# Altium PCB MercurialSDR.PcbDoc (part 5 of 6)
Units mil, origin at the board's own origin, x right, y up, seen from the top; angles counter-clockwise.
Board outline 3937.01 x 2362.2 mil, 2 copper layers (Top Layer, Bottom Layer); 147 components, 115 nets, 574 pads, 237 vias.
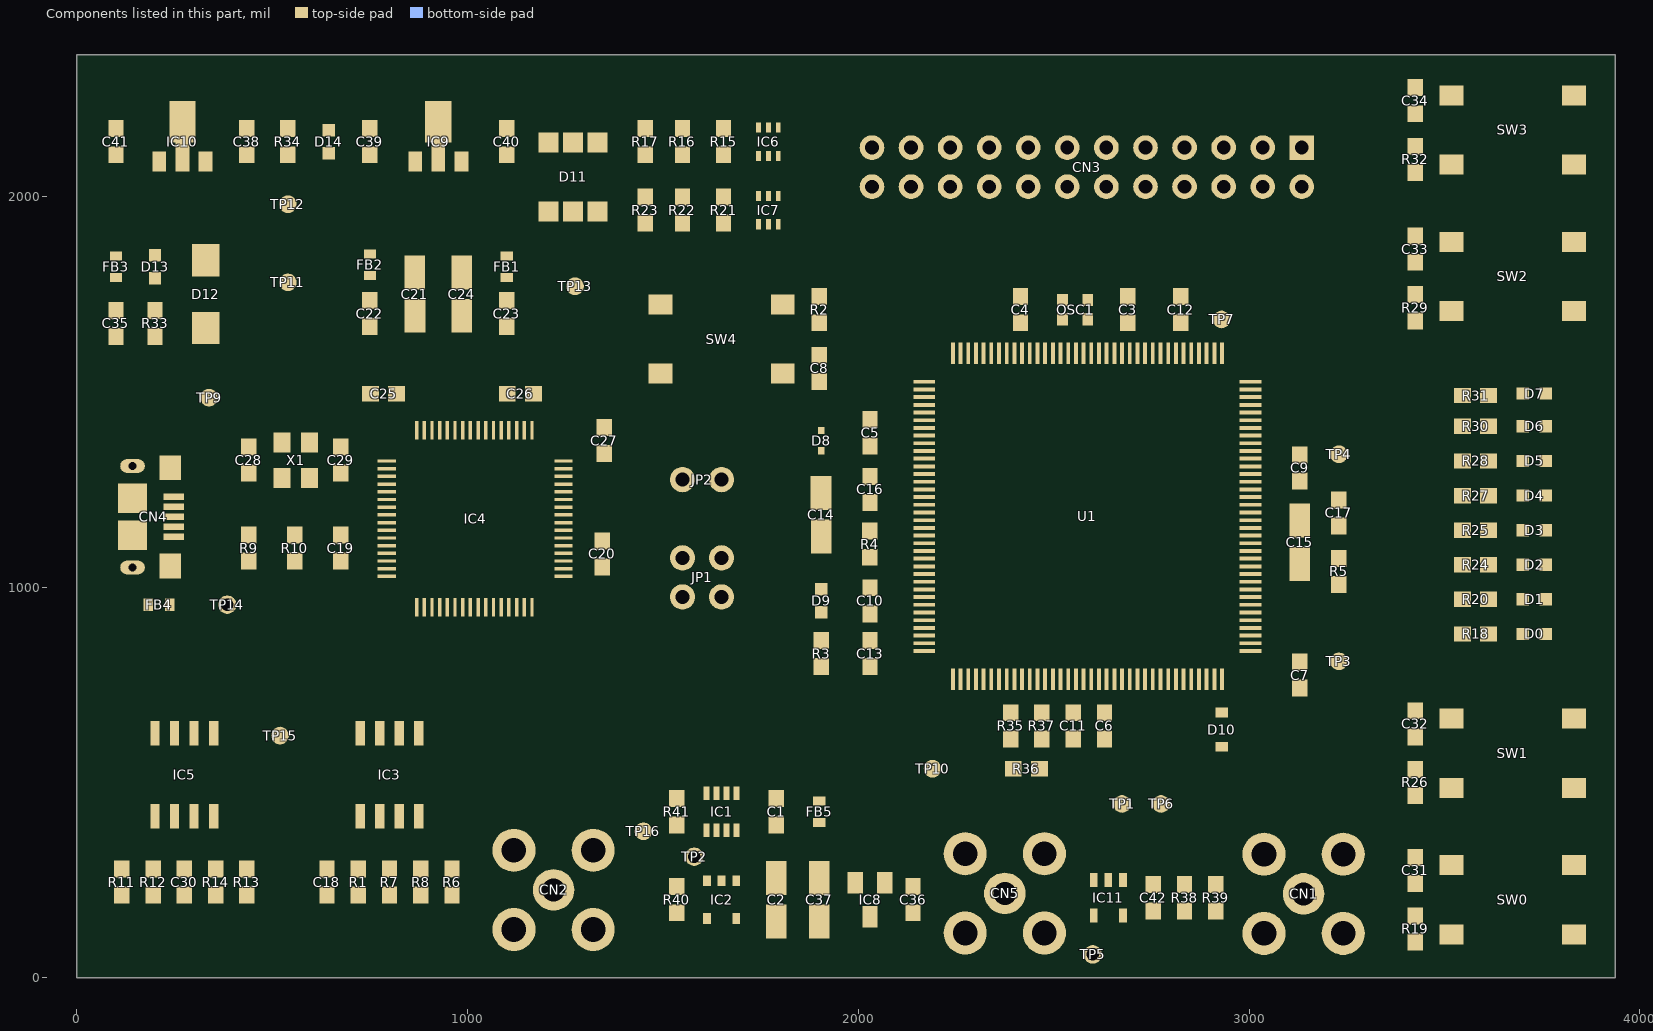
[diagram p5: the components of this part, seen from the top]

## Via types
v1: diameter 27.56, hole 15.75, Top Layer to Bottom Layer, tented both sides, 237 vias

## Nets (pads, with @x,y where several pads share a name; then routed paths per layer and width w, separated by ;. In a path a pad name is that pad's centre, name@x,y a point inside that pad or via, vN(x,y) a via of type N, cw(c..) or ccw(c..) an arc to the next point about the centre after c; other vN are vias at no path point) (continued)
copper on no net: (continued)
  Bottom Layer w1.2: 810.8,2125.8 831.2,2125.8 ; 810.8,2127 832.4,2127 ; 810.8,2139 827.6,2139 ; 810.8,2140.2 828.8,2140.2 ; 813.2,2158.2 816.8,2158.2 ; 813.2,2159.4 816.8,2159.4 ; 813.2,2160.6 816.8,2160.6 ; 813.2,2161.8 816.8,2161.8 ; 813.2,2163 816.8,2163 ; 813.2,2164.2 816.8,2164.2 ; 814.4,2154.6 818,2154.6 ; 814.4,2155.8 818,2155.8 ; 814.4,2157 818,2157 ; 814.4,2165.4 818,2165.4 ; 814.4,2166.6 818,2166.6 ; 814.4,2167.8 819.2,2167.8 ; 815.6,2152.2 820.4,2152.2 ; 815.6,2153.4 819.2,2153.4 ; 815.6,2169 820.4,2169 ; 815.6,2170.2 821.6,2170.2 ; 816.8,2151 821.6,2151 ; 816.8,2171.4 822.8,2171.4 ; 818,2149.8 824,2149.8 ; 818,2172.6 826.4,2172.6 ; 819.2,2148.6 827.6,2148.6 ; 820.4,2173.8 831.2,2173.8 ; 821.6,2147.4 831.2,2147.4 ; 821.6,2175 866,2175 ; 824,2141.4 830,2141.4 ; 825.2,2142.6 830,2142.6 ; 825.2,2146.2 831.2,2146.2 ; 825.2,2176.2 866,2176.2 ; 826.4,2143.8 831.2,2143.8 ; 827.6,2128.2 833.6,2128.2 ; 827.6,2145 831.2,2145 ; 827.6,2158.2 831.2,2158.2 ; 827.6,2159.4 831.2,2159.4 ; 828.8,2129.4 834.8,2129.4 ; 828.8,2155.8 848,2155.8 ; 828.8,2157 833.6,2157 ; 828.8,2160.6 832.4,2160.6 ; 828.8,2161.8 833.6,2161.8 ; 828.8,2163 848,2163 ; 830,2130.6 836,2130.6 ; 830,2154.6 848,2154.6 ; 830,2164.2 848,2164.2 ; 831.2,2131.8 837.2,2131.8 ; 832.4,2133 838.4,2133 ; 833.6,2134.2 839.6,2134.2 ; 834.8,2135.4 840.8,2135.4 ; 836,2136.6 842,2136.6 ; 837.2,2137.8 843.2,2137.8 ; 838.4,2139 844.4,2139 ; 839.6,2140.2 849.2,2140.2 ; 840.8,2141.4 849.2,2141.4 ; 842,2142.6 849.2,2142.6 ; 843.2,2143.8 849.2,2143.8 ; 844.4,2145 849.2,2145 ; 844.4,2157 848,2157 ; 844.4,2158.2 848,2158.2 ; 844.4,2159.4 848,2159.4 ; 844.4,2160.6 848,2160.6 ; 844.4,2161.8 848,2161.8 ; 845.6,2125.8 866,2125.8 ; 845.6,2127 866,2127 ; 845.6,2128.2 849.2,2128.2 ; 845.6,2129.4 849.2,2129.4 ; 845.6,2130.6 849.2,2130.6 ; 845.6,2131.8 849.2,2131.8 ; 845.6,2133 849.2,2133 ; 845.6,2134.2 849.2,2134.2 ; 845.6,2135.4 849.2,2135.4 ; 845.6,2136.6 849.2,2136.6 ; 845.6,2137.8 849.2,2137.8 ; 845.6,2139 849.2,2139 ; 862.4,2139 866,2139 ; 862.4,2140.2 866,2140.2 ; 862.4,2141.4 866,2141.4 ; 862.4,2142.6 866,2142.6 ; 862.4,2143.8 866,2143.8 ; 862.4,2145 866,2145 ; 862.4,2146.2 866,2146.2 ; 862.4,2147.4 866,2147.4 ; 862.4,2148.6 866,2148.6 ; 862.4,2149.8 866,2149.8 ; 862.4,2151 866,2151 ; 862.4,2152.2 866,2152.2 ; 862.4,2153.4 866,2153.4 ; 862.4,2154.6 866,2154.6 ; 862.4,2155.8 866,2155.8 ; 862.4,2157 866,2157 ; 862.4,2158.2 866,2158.2 ; 862.4,2159.4 866,2159.4 ; 862.4,2160.6 866,2160.6 ; 862.4,2161.8 866,2161.8 ; 862.4,2163 866,2163 ; 862.4,2164.2 866,2164.2 ; 867.2,2146.2 870.8,2146.2 ; 867.2,2147.4 870.8,2147.4 ; 867.2,2148.6 870.8,2148.6 ; 867.2,2149.8 870.8,2149.8 ; 867.2,2151 870.8,2151 ; 867.2,2152.2 870.8,2152.2 ; 867.2,2153.4 870.8,2153.4 ; 867.2,2154.6 870.8,2154.6 ; 867.2,2155.8 870.8,2155.8 ; 867.2,2157 870.8,2157 ; 868.4,2141.4 872,2141.4 ; 868.4,2142.6 872,2142.6 ; 868.4,2143.8 872,2143.8 ; 868.4,2145 870.8,2145 ; 868.4,2158.2 870.8,2158.2 ; 868.4,2159.4 872,2159.4 ; 868.4,2160.6 872,2160.6 ; 868.4,2161.8 872,2161.8 ; 869.6,2137.8 874.4,2137.8 ; 869.6,2139 873.2,2139 ; 869.6,2140.2 873.2,2140.2 ; 869.6,2163 873.2,2163 ; 869.6,2164.2 873.2,2164.2 ; 870.8,2135.4 875.6,2135.4 ; 870.8,2136.6 874.4,2136.6 ; 870.8,2165.4 874.4,2165.4 ; 870.8,2166.6 875.6,2166.6 ; 872,2134.2 876.8,2134.2 ; 872,2167.8 876.8,2167.8 ; 873.2,2131.8 879.2,2131.8 ; 873.2,2133 878,2133 ; 873.2,2169 878,2169 ; 873.2,2170.2 879.2,2170.2 ; 874.4,2130.6 881.6,2130.6 ; 874.4,2171.4 881.6,2171.4 ; 876.8,2129.4 885.2,2129.4 ; 876.8,2172.6 885.2,2172.6 ; 878,2128.2 894.8,2128.2 ; 878,2173.8 893.6,2173.8 ; 880.4,2127 926,2127 ; 880.4,2175 926,2175 ; 884,2125.8 926,2125.8 ; 884,2176.2 926,2176.2 ; 885.2,2151 888.8,2151 ; 885.2,2152.2 888.8,2152.2 ; 886.4,2143.8 891.2,2143.8 ; 886.4,2145 890,2145 ; 886.4,2146.2 890,2146.2 ; 886.4,2147.4 890,2147.4 ; 886.4,2148.6 888.8,2148.6 ; 886.4,2149.8 888.8,2149.8 ; 886.4,2153.4 888.8,2153.4 ; 886.4,2154.6 890,2154.6 ; 886.4,2155.8 890,2155.8 ; 886.4,2157 890,2157 ; 886.4,2158.2 891.2,2158.2 ; 887.6,2141.4 893.6,2141.4 ; 887.6,2142.6 891.2,2142.6 ; 887.6,2159.4 892.4,2159.4 ; 887.6,2160.6 893.6,2160.6 ; 888.8,2140.2 897.2,2140.2 ; 888.8,2161.8 898.4,2161.8 ; 890,2139 909.2,2139 ; 890,2163 909.2,2163 ; 892.4,2137.8 909.2,2137.8 ; 892.4,2164.2 909.2,2164.2 ; 905.6,2140.2 909.2,2140.2 ; 905.6,2141.4 909.2,2141.4 ; 905.6,2142.6 909.2,2142.6 ; 905.6,2143.8 909.2,2143.8 ; 905.6,2145 909.2,2145 ; 905.6,2146.2 909.2,2146.2 ; 905.6,2147.4 909.2,2147.4 ; 905.6,2148.6 909.2,2148.6 ; 905.6,2149.8 909.2,2149.8 ; 905.6,2151 909.2,2151 ; 905.6,2152.2 909.2,2152.2 ; 905.6,2153.4 909.2,2153.4 ; 905.6,2154.6 909.2,2154.6 ; 905.6,2155.8 909.2,2155.8 ; 905.6,2157 909.2,2157 ; 905.6,2158.2 909.2,2158.2 ; 905.6,2159.4 909.2,2159.4 ; 905.6,2160.6 909.2,2160.6 ; 905.6,2161.8 909.2,2161.8 ; 922.4,2139 926,2139 ; 922.4,2140.2 926,2140.2 ; 922.4,2141.4 926,2141.4 ; 922.4,2142.6 926,2142.6 ; 922.4,2143.8 926,2143.8 ; 922.4,2145 926,2145 ; 922.4,2146.2 926,2146.2 ; 922.4,2147.4 926,2147.4 ; 922.4,2148.6 926,2148.6 ; 922.4,2149.8 926,2149.8 ; 922.4,2151 926,2151 ; 922.4,2152.2 926,2152.2 ; 922.4,2153.4 926,2153.4 ; 922.4,2154.6 926,2154.6 ; 922.4,2155.8 926,2155.8 ; 922.4,2157 926,2157 ; 922.4,2158.2 926,2158.2 ; 922.4,2159.4 926,2159.4 ; 922.4,2160.6 926,2160.6 ; 922.4,2161.8 926,2161.8 ; 922.4,2163 926,2163 ; 922.4,2164.2 926,2164.2 ; 927.2,2161.8 946.4,2161.8 ; 927.2,2163 945.2,2163 ; 927.2,2175 962,2175 ; 927.2,2176.2 959.6,2176.2 ; 928.4,2133 933.2,2133 ; 928.4,2134.2 932,2134.2 ; 928.4,2135.4 932,2135.4 ; 928.4,2136.6 932,2136.6 ; 928.4,2137.8 932,2137.8 ; 928.4,2139 932,2139 ; 928.4,2140.2 932,2140.2 ; 928.4,2141.4 932,2141.4 ; 929.6,2130.6 935.6,2130.6 ; 929.6,2131.8 933.2,2131.8 ; 929.6,2142.6 933.2,2142.6 ; 929.6,2143.8 933.2,2143.8 ; 930.8,2129.4 936.8,2129.4 ; 930.8,2145 934.4,2145 ; 930.8,2146.2 935.6,2146.2 ; 932,2128.2 940.4,2128.2 ; 932,2147.4 935.6,2147.4 ; 932,2148.6 936.8,2148.6 ; 933.2,2127 1034,2127 ; 933.2,2149.8 938,2149.8 ; 934.4,2151 939.2,2151 ; 935.6,2125.8 1034,2125.8 ; 935.6,2152.2 940.4,2152.2 ; 936.8,2153.4 941.6,2153.4 ; 938,2154.6 942.8,2154.6 ; 939.2,2155.8 944,2155.8 ; 939.2,2160.6 946.4,2160.6 ; 940.4,2157 945.2,2157 ; 941.6,2158.2 945.2,2158.2 ; 942.8,2159.4 946.4,2159.4 ; 948.8,2140.2 998,2140.2 ; 948.8,2141.4 956,2141.4 ; 948.8,2142.6 952.4,2142.6 ; 948.8,2143.8 952.4,2143.8 ; 948.8,2145 953.6,2145 ; 950,2139 998,2139 ; 950,2146.2 954.8,2146.2 ; 951.2,2147.4 956,2147.4 ; 952.4,2148.6 957.2,2148.6 ; 953.6,2149.8 958.4,2149.8 ; 953.6,2173.8 963.2,2173.8 ; 954.8,2151 959.6,2151 ; 956,2152.2 960.8,2152.2 ; 957.2,2153.4 962,2153.4 ; 958.4,2154.6 963.2,2154.6 ; 958.4,2172.6 963.2,2172.6 ; 959.6,2155.8 963.2,2155.8 ; 959.6,2157 964.4,2157 ; 959.6,2171.4 964.4,2171.4 ; 960.8,2158.2 964.4,2158.2 ; 960.8,2159.4 965.6,2159.4 ; 960.8,2169 965.6,2169 ; 960.8,2170.2 964.4,2170.2 ; 962,2160.6 965.6,2160.6 ; 962,2161.8 965.6,2161.8 ; 962,2163 965.6,2163 ; 962,2164.2 965.6,2164.2 ; 962,2165.4 965.6,2165.4 ; 962,2166.6 965.6,2166.6 ; 962,2167.8 965.6,2167.8 ; 966.8,2128.2 970.4,2128.2 ; 966.8,2129.4 970.4,2129.4 ; 966.8,2130.6 970.4,2130.6 ; 966.8,2131.8 970.4,2131.8 ; 966.8,2133 970.4,2133 ; 966.8,2134.2 970.4,2134.2 ; 966.8,2135.4 970.4,2135.4 ; 966.8,2136.6 970.4,2136.6 ; 966.8,2137.8 970.4,2137.8 ; 995.6,2141.4 998,2141.4 ; 995.6,2142.6 998,2142.6 ; 995.6,2143.8 998,2143.8 ; 995.6,2145 998,2145 ; 995.6,2146.2 998,2146.2 ; 995.6,2147.4 998,2147.4 ; 995.6,2148.6 998,2148.6 ; 995.6,2149.8 998,2149.8 ; 995.6,2151 998,2151 ; 995.6,2152.2 998,2152.2 ; 995.6,2153.4 998,2153.4 ; 995.6,2154.6 998,2154.6 ; 995.6,2155.8 998,2155.8 ; 995.6,2157 998,2157 ; 995.6,2158.2 998,2158.2 ; 995.6,2159.4 998,2159.4 ; 995.6,2160.6 998,2160.6 ; 995.6,2161.8 998,2161.8 ; 995.6,2163 998,2163 ; 995.6,2164.2 998,2164.2 ; 995.6,2165.4 998,2165.4 ; 995.6,2166.6 998,2166.6 ; 995.6,2167.8 998,2167.8 ; 995.6,2169 998,2169 ; 995.6,2170.2 998,2170.2 ; 995.6,2171.4 998,2171.4 ; 995.6,2172.6 998,2172.6 ; 995.6,2173.8 998,2173.8 ; 995.6,2175 1013.6,2175 ; 995.6,2176.2 1013.6,2176.2 ; 1010,2128.2 1017.2,2128.2 ; 1010,2129.4 1017.2,2129.4 ; 1010,2130.6 1013.6,2130.6 ; 1010,2131.8 1013.6,2131.8 ; 1010,2133 1013.6,2133 ; 1010,2134.2 1013.6,2134.2 ; 1010,2135.4 1013.6,2135.4 ; 1010,2136.6 1013.6,2136.6 ; 1010,2137.8 1013.6,2137.8 ; 1010,2139 1013.6,2139 ; 1010,2140.2 1013.6,2140.2 ; 1010,2141.4 1013.6,2141.4 ; 1010,2142.6 1013.6,2142.6 ; 1010,2143.8 1013.6,2143.8 ; 1010,2145 1013.6,2145 ; 1010,2146.2 1013.6,2146.2 ; 1010,2147.4 1013.6,2147.4 ; 1010,2148.6 1013.6,2148.6 ; 1010,2149.8 1013.6,2149.8 ; 1010,2151 1013.6,2151 ; 1010,2152.2 1013.6,2152.2 ; 1010,2153.4 1013.6,2153.4 ; 1010,2154.6 1013.6,2154.6 ; 1010,2155.8 1013.6,2155.8 ; 1010,2157 1013.6,2157 ; 1010,2158.2 1013.6,2158.2 ; 1010,2159.4 1013.6,2159.4 ; 1010,2160.6 1013.6,2160.6 ; 1010,2161.8 1013.6,2161.8 ; 1010,2163 1013.6,2163 ; 1010,2164.2 1013.6,2164.2 ; 1010,2165.4 1013.6,2165.4 ; 1010,2166.6 1013.6,2166.6 ; 1010,2167.8 1013.6,2167.8 ; 1010,2169 1013.6,2169 ; 1010,2170.2 1013.6,2170.2 ; 1010,2171.4 1013.6,2171.4 ; 1010,2172.6 1013.6,2172.6 ; 1010,2173.8 1013.6,2173.8 ; 1014.8,2130.6 1018.4,2130.6 ; 1014.8,2131.8 1018.4,2131.8 ; 1014.8,2133 1018.4,2133 ; 1016,2134.2 1019.6,2134.2 ; 1016,2135.4 1019.6,2135.4 ; 1016,2136.6 1019.6,2136.6 ; 1017.2,2137.8 1020.8,2137.8 ; 1017.2,2139 1020.8,2139 ; 1017.2,2140.2 1020.8,2140.2 ; 1018.4,2141.4 1022,2141.4 ; 1018.4,2142.6 1022,2142.6 ; 1018.4,2143.8 1022,2143.8 ; 1019.6,2145 1023.2,2145 ; 1019.6,2146.2 1023.2,2146.2 ; 1019.6,2147.4 1023.2,2147.4 ; 1020.8,2148.6 1024.4,2148.6 ; 1020.8,2149.8 1024.4,2149.8 ; 1020.8,2151 1024.4,2151 ; 1022,2152.2 1025.6,2152.2 ; 1022,2153.4 1025.6,2153.4 ; 1023.2,2154.6 1025.6,2154.6 ; 1023.2,2155.8 1026.8,2155.8 ; 1023.2,2157 1026.8,2157 ; 1024.4,2158.2 1026.8,2158.2 ; 1024.4,2159.4 1028,2159.4 ; 1024.4,2160.6 1028,2160.6 ; 1025.6,2161.8 1029.2,2161.8 ; 1025.6,2163 1029.2,2163 ; 1025.6,2164.2 1029.2,2164.2 ; 1026.8,2165.4 1030.4,2165.4 ; 1026.8,2166.6 1030.4,2166.6 ; 1026.8,2167.8 1030.4,2167.8 ; 1028,2169 1031.6,2169 ; 1028,2170.2 1031.6,2170.2 ; 1028,2171.4 1031.6,2171.4 ; 1029.2,2172.6 1032.8,2172.6 ; 1029.2,2173.8 1032.8,2173.8 ; 1029.2,2175 1058,2175 ; 1030.4,2128.2 1035.2,2128.2 ; 1030.4,2176.2 1058,2176.2 ; 1031.6,2129.4 1035.2,2129.4 ; 1031.6,2130.6 1035.2,2130.6 ; 1031.6,2131.8 1036.4,2131.8 ; 1032.8,2133 1036.4,2133 ; 1032.8,2134.2 1036.4,2134.2 ; 1032.8,2135.4 1054.4,2135.4 ; 1034,2136.6 1054.4,2136.6 ; 1035.2,2145 1052,2145 ; 1036.4,2146.2 1052,2146.2 ; 1036.4,2147.4 1040,2147.4 ; 1036.4,2148.6 1041.2,2148.6 ; 1037.6,2149.8 1041.2,2149.8 ; 1037.6,2151 1041.2,2151 ; 1038.8,2152.2 1042.4,2152.2 ; 1038.8,2153.4 1042.4,2153.4 ; 1038.8,2154.6 1042.4,2154.6 ; 1040,2155.8 1048.4,2155.8 ; 1040,2157 1047.2,2157 ; 1040,2158.2 1047.2,2158.2 ; 1041.2,2159.4 1047.2,2159.4 ; 1041.2,2160.6 1046,2160.6 ; 1041.2,2161.8 1046,2161.8 ; 1042.4,2163 1044.8,2163 ; 1042.4,2164.2 1044.8,2164.2 ; 1042.4,2165.4 1044.8,2165.4 ; 1044.8,2152.2 1049.6,2152.2 ; 1044.8,2153.4 1048.4,2153.4 ; 1044.8,2154.6 1048.4,2154.6 ; 1046,2149.8 1050.8,2149.8 ; 1046,2151 1049.6,2151 ; 1047.2,2147.4 1050.8,2147.4 ; 1047.2,2148.6 1050.8,2148.6 ; 1050.8,2134.2 1054.4,2134.2 ; 1052,2130.6 1055.6,2130.6 ; 1052,2131.8 1055.6,2131.8 ; 1052,2133 1055.6,2133 ; 1053.2,2127 1113.2,2127 ; 1053.2,2128.2 1056.8,2128.2 ; 1053.2,2129.4 1056.8,2129.4 ; 1054.4,2125.8 1112,2125.8 ; 1054.4,2172.6 1059.2,2172.6 ; 1054.4,2173.8 1058,2173.8 ; 1055.6,2169 1060.4,2169 ; 1055.6,2170.2 1059.2,2170.2 ; 1055.6,2171.4 1059.2,2171.4 ; 1056.8,2165.4 1061.6,2165.4 ; 1056.8,2166.6 1060.4,2166.6 ; 1056.8,2167.8 1060.4,2167.8 ; 1058,2161.8 1061.6,2161.8 ; 1058,2163 1061.6,2163 ; 1058,2164.2 1061.6,2164.2 ; 1059.2,2158.2 1062.8,2158.2 ; 1059.2,2159.4 1062.8,2159.4 ; 1059.2,2160.6 1062.8,2160.6 ; 1060.4,2154.6 1064,2154.6 ; 1060.4,2155.8 1064,2155.8 ; 1060.4,2157 1064,2157 ; 1061.6,2151 1065.2,2151 ; 1061.6,2152.2 1065.2,2152.2 ; 1061.6,2153.4 1065.2,2153.4 ; 1062.8,2147.4 1066.4,2147.4 ; 1062.8,2148.6 1066.4,2148.6 ; 1062.8,2149.8 1066.4,2149.8 ; 1064,2143.8 1067.6,2143.8 ; 1064,2145 1067.6,2145 ; 1064,2146.2 1067.6,2146.2 ; 1065.2,2140.2 1068.8,2140.2 ; 1065.2,2141.4 1068.8,2141.4 ; 1065.2,2142.6 1068.8,2142.6 ; 1066.4,2136.6 1070,2136.6 ; 1066.4,2137.8 1070,2137.8 ; 1066.4,2139 1070,2139 ; 1067.6,2133 1071.2,2133 ; 1067.6,2134.2 1071.2,2134.2 ; 1067.6,2135.4 1071.2,2135.4 ; 1068.8,2129.4 1072.4,2129.4 ; 1068.8,2130.6 1072.4,2130.6 ; 1068.8,2131.8 1072.4,2131.8 ; 1070,2128.2 1076,2128.2 ; 1073.6,2129.4 1076,2129.4 ; 1073.6,2130.6 1076,2130.6 ; 1073.6,2131.8 1076,2131.8 ; 1073.6,2133 1076,2133 ; 1073.6,2134.2 1076,2134.2 ; 1073.6,2135.4 1076,2135.4 ; 1073.6,2136.6 1076,2136.6 ; 1073.6,2137.8 1076,2137.8 ; 1073.6,2139 1076,2139 ; 1073.6,2140.2 1076,2140.2 ; 1073.6,2141.4 1076,2141.4 ; 1073.6,2142.6 1076,2142.6 ; 1073.6,2143.8 1076,2143.8 ; 1073.6,2145 1076,2145 ; 1073.6,2146.2 1076,2146.2 ; 1073.6,2147.4 1076,2147.4 ; 1073.6,2148.6 1076,2148.6 ; 1073.6,2149.8 1076,2149.8 ; 1073.6,2151 1076,2151 ; 1073.6,2152.2 1076,2152.2 ; 1073.6,2153.4 1076,2153.4 ; 1073.6,2154.6 1076,2154.6 ; 1073.6,2155.8 1076,2155.8 ; 1073.6,2157 1076,2157 ; 1073.6,2158.2 1076,2158.2 ; 1073.6,2159.4 1076,2159.4 ; 1073.6,2160.6 1076,2160.6 ; 1073.6,2161.8 1076,2161.8 ; 1073.6,2163 1076,2163 ; 1073.6,2164.2 1076,2164.2 ; 1073.6,2165.4 1076,2165.4 ; 1073.6,2166.6 1076,2166.6 ; 1073.6,2167.8 1076,2167.8 ; 1073.6,2169 1076,2169 ; 1073.6,2170.2 1076,2170.2 ; 1073.6,2171.4 1076,2171.4 ; 1073.6,2172.6 1076,2172.6 ; 1073.6,2173.8 1076,2173.8 ; 1073.6,2175 1091.6,2175 ; 1073.6,2176.2 1091.6,2176.2 ; 1088,2128.2 1095.2,2128.2 ; 1088,2129.4 1095.2,2129.4 ; 1088,2130.6 1095.2,2130.6 ; 1088,2131.8 1095.2,2131.8 ; 1088,2133 1095.2,2133 ; 1088,2134.2 1095.2,2134.2 ; 1088,2135.4 1095.2,2135.4 ; 1088,2136.6 1095.2,2136.6 ; 1088,2137.8 1095.2,2137.8 ; 1088,2139 1108.4,2139 ; 1088,2140.2 1109.6,2140.2 ; 1088,2141.4 1091.6,2141.4 ; 1088,2142.6 1091.6,2142.6 ; 1088,2143.8 1091.6,2143.8 ; 1088,2145 1091.6,2145 ; 1088,2146.2 1091.6,2146.2 ; 1088,2147.4 1091.6,2147.4 ; 1088,2148.6 1091.6,2148.6 ; 1088,2149.8 1091.6,2149.8 ; 1088,2151 1091.6,2151 ; 1088,2152.2 1091.6,2152.2 ; 1088,2153.4 1091.6,2153.4 ; 1088,2154.6 1091.6,2154.6 ; 1088,2155.8 1091.6,2155.8 ; 1088,2157 1091.6,2157 ; 1088,2158.2 1091.6,2158.2 ; 1088,2159.4 1091.6,2159.4 ; 1088,2160.6 1091.6,2160.6 ; 1088,2161.8 1091.6,2161.8 ; 1088,2163 1091.6,2163 ; 1088,2164.2 1091.6,2164.2 ; 1088,2165.4 1091.6,2165.4 ; 1088,2166.6 1091.6,2166.6 ; 1088,2167.8 1091.6,2167.8 ; 1088,2169 1091.6,2169 ; 1088,2170.2 1091.6,2170.2 ; 1088,2171.4 1091.6,2171.4 ; 1088,2172.6 1091.6,2172.6 ; 1088,2173.8 1091.6,2173.8 ; 1094,2158.2 1097.6,2158.2 ; 1094,2159.4 1097.6,2159.4 ; 1094,2160.6 1097.6,2160.6 ; 1094,2161.8 1097.6,2161.8 ; 1094,2163 1097.6,2163 ; 1094,2164.2 1097.6,2164.2 ; 1095.2,2154.6 1098.8,2154.6 ; 1095.2,2155.8 1098.8,2155.8 ; 1095.2,2157 1098.8,2157 ; 1095.2,2165.4 1098.8,2165.4 ; 1095.2,2166.6 1098.8,2166.6 ; 1095.2,2167.8 1100,2167.8 ; 1096.4,2152.2 1101.2,2152.2 ; 1096.4,2153.4 1100,2153.4 ; 1096.4,2169 1101.2,2169 ; 1096.4,2170.2 1102.4,2170.2 ; 1097.6,2151 1102.4,2151 ; 1097.6,2171.4 1103.6,2171.4 ; 1098.8,2149.8 1104.8,2149.8 ; 1098.8,2172.6 1107.2,2172.6 ; 1100,2148.6 1108.4,2148.6 ; 1101.2,2173.8 1112,2173.8 ; 1102.4,2147.4 1112,2147.4 ; 1102.4,2175 1146.8,2175 ; 1104.8,2141.4 1110.8,2141.4 ; 1106,2142.6 1110.8,2142.6 ; 1106,2146.2 1112,2146.2 ; 1106,2176.2 1146.8,2176.2 ; 1107.2,2143.8 1112,2143.8 ; 1108.4,2128.2 1114.4,2128.2 ; 1108.4,2145 1112,2145 ; 1108.4,2158.2 1112,2158.2 ; 1108.4,2159.4 1112,2159.4 ; 1109.6,2129.4 1115.6,2129.4 ; 1109.6,2155.8 1128.8,2155.8 ; 1109.6,2157 1114.4,2157 ; 1109.6,2160.6 1113.2,2160.6 ; 1109.6,2161.8 1114.4,2161.8 ; 1109.6,2163 1128.8,2163 ; 1110.8,2130.6 1116.8,2130.6 ; 1110.8,2154.6 1128.8,2154.6 ; 1110.8,2164.2 1128.8,2164.2 ; 1112,2131.8 1118,2131.8 ; 1113.2,2133 1119.2,2133 ; 1114.4,2134.2 1120.4,2134.2 ; 1115.6,2135.4 1121.6,2135.4 ; 1116.8,2136.6 1122.8,2136.6 ; 1118,2137.8 1124,2137.8 ; 1119.2,2139 1125.2,2139 ; 1120.4,2140.2 1130,2140.2 ; 1121.6,2141.4 1130,2141.4 ; 1122.8,2142.6 1130,2142.6 ; 1124,2143.8 1130,2143.8 ; 1125.2,2145 1130,2145 ; 1125.2,2157 1128.8,2157 ; 1125.2,2158.2 1128.8,2158.2 ; 1125.2,2159.4 1128.8,2159.4 ; 1125.2,2160.6 1128.8,2160.6 ; 1125.2,2161.8 1128.8,2161.8 ; 1126.4,2125.8 1146.8,2125.8 ; 1126.4,2127 1146.8,2127 ; 1126.4,2128.2 1130,2128.2 ; 1126.4,2129.4 1130,2129.4 ; 1126.4,2130.6 1130,2130.6 ; 1126.4,2131.8 1130,2131.8 ; 1126.4,2133 1130,2133 ; 1126.4,2134.2 1130,2134.2 ; 1126.4,2135.4 1130,2135.4 ; 1126.4,2136.6 1130,2136.6 ; 1126.4,2137.8 1130,2137.8 ; 1126.4,2139 1130,2139 ; 1143.2,2128.2 1146.8,2128.2 ; 1143.2,2129.4 1146.8,2129.4 ; 1143.2,2130.6 1146.8,2130.6 ; 1143.2,2131.8 1146.8,2131.8 ; 1143.2,2133 1146.8,2133 ; 1143.2,2134.2 1146.8,2134.2 ; 1143.2,2135.4 1146.8,2135.4 ; 1143.2,2136.6 1146.8,2136.6 ; 1143.2,2137.8 1146.8,2137.8 ; 1143.2,2139 1146.8,2139 ; 1143.2,2140.2 1146.8,2140.2 ; 1143.2,2141.4 1146.8,2141.4 ; 1143.2,2142.6 1146.8,2142.6 ; 1143.2,2143.8 1146.8,2143.8 ; 1143.2,2145 1146.8,2145 ; 1143.2,2146.2 1146.8,2146.2 ; 1143.2,2147.4 1146.8,2147.4 ; 1143.2,2148.6 1146.8,2148.6 ; 1143.2,2149.8 1146.8,2149.8 ; 1143.2,2151 1146.8,2151 ; 1143.2,2152.2 1146.8,2152.2 ; 1143.2,2153.4 1146.8,2153.4 ; 1143.2,2154.6 1146.8,2154.6 ; 1143.2,2155.8 1146.8,2155.8 ; 1143.2,2157 1146.8,2157 ; 1143.2,2158.2 1146.8,2158.2 ; 1143.2,2159.4 1146.8,2159.4 ; 1143.2,2160.6 1146.8,2160.6 ; 1143.2,2161.8 1146.8,2161.8 ; 1143.2,2163 1146.8,2163 ; 1143.2,2164.2 1146.8,2164.2 ; 1143.2,2165.4 1146.8,2165.4 ; 1143.2,2166.6 1146.8,2166.6 ; 1143.2,2167.8 1146.8,2167.8 ; 1143.2,2169 1146.8,2169 ; 1143.2,2170.2 1146.8,2170.2 ; 1143.2,2171.4 1146.8,2171.4 ; 1143.2,2172.6 1146.8,2172.6 ; 1143.2,2173.8 1146.8,2173.8 ; 1148,2140.2 1151.6,2140.2 ; 1148,2141.4 1151.6,2141.4 ; 1148,2142.6 1151.6,2142.6 ; 1148,2143.8 1151.6,2143.8 ; 1148,2145 1151.6,2145 ; 1148,2146.2 1151.6,2146.2 ; 1148,2147.4 1151.6,2147.4 ; 1148,2148.6 1151.6,2148.6 ; 1148,2149.8 1151.6,2149.8 ; 1148,2151 1151.6,2151 ; 1148,2152.2 1151.6,2152.2 ; 1148,2153.4 1151.6,2153.4 ; 1148,2154.6 1151.6,2154.6 ; 1148,2155.8 1151.6,2155.8 ; 1148,2157 1151.6,2157 ; 1148,2158.2 1151.6,2158.2 ; 1148,2159.4 1151.6,2159.4 ; 1148,2160.6 1151.6,2160.6 ; 1148,2161.8 1151.6,2161.8 ; 1148,2163 1151.6,2163 ; 1148,2164.2 1151.6,2164.2 ; 1148,2165.4 1151.6,2165.4 ; 1148,2166.6 1151.6,2166.6 ; 1148,2167.8 1151.6,2167.8 ; 1148,2169 1151.6,2169 ; 1148,2170.2 1151.6,2170.2 ; 1148,2171.4 1151.6,2171.4 ; 1148,2172.6 1151.6,2172.6 ; 1148,2173.8 1151.6,2173.8 ; 1148,2175 1166,2175 ; 1148,2176.2 1166,2176.2 ; 1149.2,2136.6 1154,2136.6 ; 1149.2,2137.8 1152.8,2137.8 ; 1149.2,2139 1152.8,2139 ; 1150.4,2134.2 1155.2,2134.2 ; 1150.4,2135.4 1154,2135.4 ; 1151.6,2133 1156.4,2133 ; 1152.8,2131.8 1157.6,2131.8 ; 1154,2130.6 1160,2130.6 ; 1155.2,2129.4 1162.4,2129.4 ; 1156.4,2128.2 1166,2128.2 ; 1158.8,2127 1190,2127 ; 1161.2,2125.8 1187.6,2125.8 ; 1162.4,2141.4 1167.2,2141.4 ; 1162.4,2142.6 1166,2142.6 ; 1162.4,2143.8 1166,2143.8 ; 1162.4,2145 1166,2145 ; 1162.4,2146.2 1166,2146.2 ; 1162.4,2147.4 1166,2147.4 ; 1162.4,2148.6 1166,2148.6 ; 1162.4,2149.8 1166,2149.8 ; 1162.4,2151 1166,2151 ; 1162.4,2152.2 1166,2152.2 ; 1162.4,2153.4 1166,2153.4 ; 1162.4,2154.6 1166,2154.6 ; 1162.4,2155.8 1166,2155.8 ; 1162.4,2157 1166,2157 ; 1162.4,2158.2 1166,2158.2 ; 1162.4,2159.4 1166,2159.4 ; 1162.4,2160.6 1166,2160.6 ; 1162.4,2161.8 1166,2161.8 ; 1162.4,2163 1166,2163 ; 1162.4,2164.2 1166,2164.2 ; 1162.4,2165.4 1166,2165.4 ; 1162.4,2166.6 1166,2166.6 ; 1162.4,2167.8 1166,2167.8 ; 1162.4,2169 1166,2169 ; 1162.4,2170.2 1166,2170.2 ; 1162.4,2171.4 1166,2171.4 ; 1162.4,2172.6 1166,2172.6 ; 1162.4,2173.8 1166,2173.8 ; 1163.6,2139 1169.6,2139 ; 1163.6,2140.2 1168.4,2140.2 ; 1164.8,2124.6 1182.8,2124.6 ; 1164.8,2137.8 1184,2137.8 ; 1166,2136.6 1182.8,2136.6 ; 1168.4,2135.4 1180.4,2135.4 ; 1179.2,2139 1184,2139 ; 1180.4,2140.2 1185.2,2140.2 ; 1181.6,2141.4 1185.2,2141.4 ; 1181.6,2142.6 1185.2,2142.6 ; 1182.8,2128.2 1192.4,2128.2 ; 1182.8,2143.8 1185.2,2143.8 ; 1182.8,2145 1185.2,2145 ; 1182.8,2146.2 1185.2,2146.2 ; 1182.8,2147.4 1185.2,2147.4 ; 1182.8,2148.6 1185.2,2148.6 ; 1182.8,2149.8 1185.2,2149.8 ; 1182.8,2151 1185.2,2151 ; 1182.8,2152.2 1185.2,2152.2 ; 1182.8,2153.4 1185.2,2153.4 ; 1182.8,2154.6 1185.2,2154.6 ; 1182.8,2155.8 1185.2,2155.8 ; 1182.8,2157 1185.2,2157 ; 1182.8,2158.2 1185.2,2158.2 ; 1182.8,2159.4 1185.2,2159.4 ; 1182.8,2160.6 1185.2,2160.6 ; 1182.8,2161.8 1185.2,2161.8 ; 1182.8,2163 1185.2,2163 ; 1182.8,2164.2 1185.2,2164.2 ; 1182.8,2165.4 1185.2,2165.4 ; 1182.8,2166.6 1185.2,2166.6 ; 1182.8,2167.8 1185.2,2167.8 ; 1182.8,2169 1185.2,2169 ; 1182.8,2170.2 1185.2,2170.2 ; 1182.8,2171.4 1185.2,2171.4 ; 1182.8,2172.6 1185.2,2172.6 ; 1182.8,2173.8 1185.2,2173.8 ; 1182.8,2175 1239.2,2175 ; 1182.8,2176.2 1234.4,2176.2 ; 1186.4,2129.4 1193.6,2129.4 ; 1188.8,2130.6 1194.8,2130.6 ; 1190,2131.8 1196,2131.8 ; 1191.2,2133 1197.2,2133 ; 1192.4,2134.2 1197.2,2134.2 ; 1193.6,2135.4 1198.4,2135.4 ; 1194.8,2136.6 1198.4,2136.6 ; 1194.8,2137.8 1199.6,2137.8 ; 1196,2139 1199.6,2139 ; 1196,2140.2 1199.6,2140.2 ; 1196,2141.4 1199.6,2141.4 ; 1197.2,2142.6 1200.8,2142.6 ; 1197.2,2143.8 1200.8,2143.8 ; 1197.2,2145 1200.8,2145 ; 1197.2,2146.2 1200.8,2146.2 ; 1197.2,2147.4 1200.8,2147.4 ; 1197.2,2148.6 1200.8,2148.6 ; 1197.2,2149.8 1200.8,2149.8 ; 1197.2,2151 1200.8,2151 ; 1197.2,2152.2 1200.8,2152.2 ; 1197.2,2153.4 1200.8,2153.4 ; 1197.2,2154.6 1200.8,2154.6 ; 1197.2,2155.8 1200.8,2155.8 ; 1197.2,2157 1200.8,2157 ; 1197.2,2158.2 1200.8,2158.2 ; 1197.2,2159.4 1200.8,2159.4 ; 1197.2,2160.6 1200.8,2160.6 ; 1197.2,2161.8 1233.2,2161.8 ; 1197.2,2163 1229.6,2163 ; 1197.2,2164.2 1204.4,2164.2 ; 1197.2,2165.4 1204.4,2165.4 ; 1197.2,2166.6 1204.4,2166.6 ; 1197.2,2167.8 1204.4,2167.8 ; 1197.2,2169 1204.4,2169 ; 1197.2,2170.2 1204.4,2170.2 ; 1197.2,2171.4 1204.4,2171.4 ; 1197.2,2172.6 1204.4,2172.6 ; 1197.2,2173.8 1204.4,2173.8 ; 1200.8,2125.8 1234.4,2125.8 ; 1200.8,2127 1238,2127 ; 1200.8,2128.2 1204.4,2128.2 ; 1200.8,2129.4 1204.4,2129.4 ; 1200.8,2130.6 1204.4,2130.6 ; 1200.8,2131.8 1204.4,2131.8 ; 1200.8,2133 1204.4,2133 ; 1200.8,2134.2 1204.4,2134.2 ; 1200.8,2135.4 1204.4,2135.4 ; 1200.8,2136.6 1204.4,2136.6 ; 1200.8,2137.8 1204.4,2137.8 ; 1200.8,2139 1230.8,2139 ; 1200.8,2140.2 1234.4,2140.2 ; 1218.8,2160.6 1234.4,2160.6 ; 1220,2141.4 1235.6,2141.4 ; 1224.8,2128.2 1241.6,2128.2 ; 1224.8,2173.8 1241.6,2173.8 ; 1229.6,2142.6 1236.8,2142.6 ; 1229.6,2159.4 1235.6,2159.4 ; 1232,2143.8 1236.8,2143.8 ; 1232,2158.2 1236.8,2158.2 ; 1233.2,2129.4 1244,2129.4 ; 1233.2,2145 1238,2145 ; 1233.2,2157 1238,2157 ; 1234.4,2146.2 1238,2146.2 ; 1234.4,2147.4 1238,2147.4 ; 1234.4,2154.6 1238,2154.6 ; 1234.4,2155.8 1238,2155.8 ; 1234.4,2172.6 1244,2172.6 ; 1235.6,2148.6 1238,2148.6 ; 1235.6,2149.8 1238,2149.8 ; 1235.6,2151 1239.2,2151 ; 1235.6,2152.2 1238,2152.2 ; 1235.6,2153.4 1238,2153.4 ; 1236.8,2130.6 1245.2,2130.6 ; 1238,2171.4 1245.2,2171.4 ; 1240.4,2131.8 1246.4,2131.8 ; 1240.4,2170.2 1247.6,2170.2 ; 1241.6,2133 1247.6,2133 ; 1242.8,2169 1248.8,2169 ; 1244,2134.2 1248.8,2134.2 ; 1244,2167.8 1250,2167.8 ; 1245.2,2135.4 1250,2135.4 ; 1245.2,2166.6 1250,2166.6 ; 1246.4,2136.6 1251.2,2136.6 ; 1246.4,2165.4 1251.2,2165.4 ; 1247.6,2137.8 1251.2,2137.8 ; 1247.6,2164.2 1252.4,2164.2 ; 1248.8,2139 1252.4,2139 ; 1248.8,2140.2 1252.4,2140.2 ; 1248.8,2161.8 1253.6,2161.8 ; 1248.8,2163 1252.4,2163 ; 1250,2141.4 1253.6,2141.4 ; 1250,2142.6 1253.6,2142.6 ; 1250,2143.8 1253.6,2143.8 ; 1250,2159.4 1253.6,2159.4 ; 1250,2160.6 1253.6,2160.6 ; 1251.2,2145 1254.8,2145 ; 1251.2,2146.2 1254.8,2146.2 ; 1251.2,2147.4 1254.8,2147.4 ; 1251.2,2148.6 1254.8,2148.6 ; 1251.2,2149.8 1254.8,2149.8 ; 1251.2,2151 1254.8,2151 ; 1251.2,2152.2 1254.8,2152.2 ; 1251.2,2153.4 1254.8,2153.4 ; 1251.2,2154.6 1254.8,2154.6 ; 1251.2,2155.8 1254.8,2155.8 ; 1251.2,2157 1254.8,2157 ; 1251.2,2158.2 1254.8,2158.2 ; 1254.8,2125.8 1275.2,2125.8 ; 1254.8,2127 1276.4,2127 ; 1254.8,2128.2 1258.4,2128.2 ; 1254.8,2129.4 1258.4,2129.4 ; 1254.8,2130.6 1258.4,2130.6 ; 1254.8,2131.8 1258.4,2131.8 ; 1254.8,2133 1258.4,2133 ; 1254.8,2134.2 1258.4,2134.2 ; 1254.8,2135.4 1258.4,2135.4 ; 1254.8,2136.6 1258.4,2136.6 ; 1254.8,2137.8 1258.4,2137.8 ; 1254.8,2139 1271.6,2139 ; 1254.8,2140.2 1272.8,2140.2 ; 1257.2,2158.2 1260.8,2158.2 ; 1257.2,2159.4 1260.8,2159.4 ; 1257.2,2160.6 1260.8,2160.6 ; 1257.2,2161.8 1260.8,2161.8 ; 1257.2,2163 1260.8,2163 ; 1257.2,2164.2 1260.8,2164.2 ; 1258.4,2154.6 1262,2154.6 ; 1258.4,2155.8 1262,2155.8 ; 1258.4,2157 1262,2157 ; 1258.4,2165.4 1262,2165.4 ; 1258.4,2166.6 1262,2166.6 ; 1258.4,2167.8 1263.2,2167.8 ; 1259.6,2152.2 1264.4,2152.2 ; 1259.6,2153.4 1263.2,2153.4 ; 1259.6,2169 1264.4,2169 ; 1259.6,2170.2 1265.6,2170.2 ; 1260.8,2151 1265.6,2151 ; 1260.8,2171.4 1266.8,2171.4 ; 1262,2149.8 1268,2149.8 ; 1262,2172.6 1270.4,2172.6 ; 1263.2,2148.6 1271.6,2148.6 ; 1264.4,2173.8 1275.2,2173.8 ; 1265.6,2147.4 1275.2,2147.4 ; 1265.6,2175 1310,2175 ; 1268,2141.4 1274,2141.4 ; 1269.2,2142.6 1274,2142.6 ; 1269.2,2146.2 1275.2,2146.2 ; 1269.2,2176.2 1310,2176.2 ; 1270.4,2143.8 1275.2,2143.8 ; 1271.6,2128.2 1277.6,2128.2 ; 1271.6,2145 1275.2,2145 ; 1271.6,2158.2 1275.2,2158.2 ; 1271.6,2159.4 1275.2,2159.4 ; 1272.8,2129.4 1278.8,2129.4 ; 1272.8,2155.8 1292,2155.8 ; 1272.8,2157 1277.6,2157 ; 1272.8,2160.6 1276.4,2160.6 ; 1272.8,2161.8 1277.6,2161.8 ; 1272.8,2163 1292,2163 ; 1274,2130.6 1280,2130.6 ; 1274,2154.6 1292,2154.6 ; 1274,2164.2 1292,2164.2 ; 1275.2,2131.8 1281.2,2131.8 ; 1276.4,2133 1282.4,2133 ; 1277.6,2134.2 1283.6,2134.2 ; 1278.8,2135.4 1284.8,2135.4 ; 1280,2136.6 1286,2136.6 ; 1281.2,2137.8 1287.2,2137.8 ; 1282.4,2139 1288.4,2139 ; 1283.6,2140.2 1293.2,2140.2 ; 1284.8,2141.4 1293.2,2141.4 ; 1286,2142.6 1293.2,2142.6 ; 1287.2,2143.8 1293.2,2143.8 ; 1288.4,2145 1293.2,2145 ; 1288.4,2157 1292,2157 ; 1288.4,2158.2 1292,2158.2 ; 1288.4,2159.4 1292,2159.4 ; 1288.4,2160.6 1292,2160.6 ; 1288.4,2161.8 1292,2161.8 ; 1289.6,2125.8 1310,2125.8 ; 1289.6,2127 1310,2127 ; 1289.6,2128.2 1293.2,2128.2 ; 1289.6,2129.4 1293.2,2129.4 ; 1289.6,2130.6 1293.2,2130.6 ; 1289.6,2131.8 1293.2,2131.8 ; 1289.6,2133 1293.2,2133 ; 1289.6,2134.2 1293.2,2134.2 ; 1289.6,2135.4 1293.2,2135.4 ; 1289.6,2136.6 1293.2,2136.6 ; 1289.6,2137.8 1293.2,2137.8 ; 1289.6,2139 1293.2,2139 ; 1306.4,2128.2 1310,2128.2 ; 1306.4,2129.4 1310,2129.4 ; 1306.4,2130.6 1310,2130.6 ; 1306.4,2131.8 1310,2131.8 ; 1306.4,2133 1310,2133 ; 1306.4,2134.2 1310,2134.2 ; 1306.4,2135.4 1310,2135.4 ; 1306.4,2136.6 1310,2136.6 ; 1306.4,2137.8 1310,2137.8 ; 1306.4,2139 1310,2139 ; 1306.4,2140.2 1310,2140.2 ; 1306.4,2141.4 1310,2141.4 ; 1306.4,2142.6 1310,2142.6 ; 1306.4,2143.8 1310,2143.8 ; 1306.4,2145 1310,2145 ; 1306.4,2146.2 1310,2146.2 ; 1306.4,2147.4 1310,2147.4 ; 1306.4,2148.6 1310,2148.6 ; 1306.4,2149.8 1310,2149.8 ; 1306.4,2151 1310,2151 ; 1306.4,2152.2 1310,2152.2 ; 1306.4,2153.4 1310,2153.4 ; 1306.4,2154.6 1310,2154.6 ; 1306.4,2155.8 1310,2155.8 ; 1306.4,2157 1310,2157 ; 1306.4,2158.2 1310,2158.2 ; 1306.4,2159.4 1310,2159.4 ; 1306.4,2160.6 1310,2160.6 ; 1306.4,2161.8 1310,2161.8 ; 1306.4,2163 1310,2163 ; 1306.4,2164.2 1310,2164.2 ; 1306.4,2165.4 1310,2165.4 ; 1306.4,2166.6 1310,2166.6 ; 1306.4,2167.8 1310,2167.8 ; 1306.4,2169 1310,2169 ; 1306.4,2170.2 1310,2170.2 ; 1306.4,2171.4 1310,2171.4 ; 1306.4,2172.6 1310,2172.6 ; 1306.4,2173.8 1310,2173.8 ; 1311.2,2125.8 1377.2,2125.8 ; 1311.2,2127 1377.2,2127 ; 1311.2,2128.2 1314.8,2128.2 ; 1311.2,2129.4 1314.8,2129.4 ; 1311.2,2130.6 1314.8,2130.6 ; 1311.2,2131.8 1314.8,2131.8 ; 1311.2,2133 1314.8,2133 ; 1311.2,2134.2 1314.8,2134.2 ; 1311.2,2135.4 1314.8,2135.4 ; 1311.2,2136.6 1314.8,2136.6 ; 1311.2,2137.8 1314.8,2137.8 ; 1311.2,2139 1343.6,2139 ; 1311.2,2140.2 1343.6,2140.2 ; 1313.6,2161.8 1343.6,2161.8 ; 1313.6,2163 1343.6,2163 ; 1313.6,2164.2 1316,2164.2 ; 1313.6,2165.4 1316,2165.4 ; 1313.6,2166.6 1316,2166.6 ; 1313.6,2167.8 1316,2167.8 ; 1313.6,2169 1316,2169 ; 1313.6,2170.2 1316,2170.2 ; 1313.6,2171.4 1316,2171.4 ; 1313.6,2172.6 1316,2172.6 ; 1313.6,2173.8 1316,2173.8 ; 1313.6,2175 1378.4,2175 ; 1313.6,2176.2 1377.2,2176.2 ; 1323.2,2147.4 1343.6,2147.4 ; 1323.2,2148.6 1343.6,2148.6 ; 1323.2,2149.8 1326.8,2149.8 ; 1323.2,2151 1326.8,2151 ; 1323.2,2152.2 1326.8,2152.2 ; 1323.2,2153.4 1343.6,2153.4 ; 1323.2,2154.6 1343.6,2154.6 ; 1341.2,2141.4 1343.6,2141.4 ; 1341.2,2142.6 1343.6,2142.6 ; 1341.2,2143.8 1343.6,2143.8 ; 1341.2,2145 1343.6,2145 ; 1341.2,2146.2 1343.6,2146.2 ; 1341.2,2155.8 1343.6,2155.8 ; 1341.2,2157 1343.6,2157 ; 1341.2,2158.2 1343.6,2158.2 ; 1341.2,2159.4 1343.6,2159.4 ; 1341.2,2160.6 1343.6,2160.6 ; 1355.6,2128.2 1359.2,2128.2 ; 1355.6,2129.4 1359.2,2129.4 ; 1355.6,2130.6 1359.2,2130.6 ; 1355.6,2131.8 1359.2,2131.8 ; 1355.6,2133 1359.2,2133 ; 1355.6,2134.2 1359.2,2134.2 ; 1355.6,2135.4 1359.2,2135.4 ; 1355.6,2136.6 1359.2,2136.6 ; 1355.6,2137.8 1359.2,2137.8 ; 1355.6,2139 1361.6,2139 ; 1355.6,2140.2 1361.6,2140.2 ; 1355.6,2141.4 1361.6,2141.4 ; 1355.6,2142.6 1361.6,2142.6 ; 1355.6,2143.8 1361.6,2143.8 ; 1355.6,2145 1361.6,2145 ; 1355.6,2146.2 1361.6,2146.2 ; 1355.6,2147.4 1361.6,2147.4 ; 1355.6,2148.6 1361.6,2148.6 ; 1355.6,2149.8 1361.6,2149.8 ; 1355.6,2151 1361.6,2151 ; 1355.6,2152.2 1361.6,2152.2 ; 1355.6,2153.4 1361.6,2153.4 ; 1355.6,2154.6 1361.6,2154.6 ; 1355.6,2155.8 1361.6,2155.8 ; 1355.6,2157 1361.6,2157 ; 1355.6,2158.2 1361.6,2158.2 ; 1355.6,2159.4 1361.6,2159.4 ; 1355.6,2160.6 1361.6,2160.6 ; 1355.6,2161.8 1361.6,2161.8 ; 1355.6,2163 1361.6,2163 ; 1355.6,2164.2 1361.6,2164.2 ; 1355.6,2165.4 1359.2,2165.4 ; 1355.6,2166.6 1359.2,2166.6 ; 1355.6,2167.8 1359.2,2167.8 ; 1355.6,2169 1359.2,2169 ; 1355.6,2170.2 1359.2,2170.2 ; 1355.6,2171.4 1359.2,2171.4 ; 1355.6,2172.6 1359.2,2172.6 ; 1355.6,2173.8 1359.2,2173.8 ; 1373.6,2128.2 1377.2,2128.2 ; 1373.6,2129.4 1377.2,2129.4 ; 1373.6,2130.6 1377.2,2130.6 ; 1373.6,2131.8 1377.2,2131.8 ; 1373.6,2133 1377.2,2133 ; 1373.6,2134.2 1377.2,2134.2 ; 1373.6,2135.4 1377.2,2135.4 ; 1373.6,2136.6 1377.2,2136.6 ; 1373.6,2137.8 1377.2,2137.8 ; 1373.6,2139 1377.2,2139 ; 1373.6,2140.2 1377.2,2140.2 ; 1373.6,2141.4 1377.2,2141.4 ; 1373.6,2142.6 1382,2142.6 ; 1373.6,2143.8 1380.8,2143.8 ; 1373.6,2145 1380.8,2145 ; 1373.6,2146.2 1379.6,2146.2 ; 1373.6,2147.4 1379.6,2147.4 ; 1373.6,2148.6 1378.4,2148.6 ; 1374.8,2172.6 1379.6,2172.6 ; 1374.8,2173.8 1378.4,2173.8 ; 1376,2170.2 1380.8,2170.2 ; 1376,2171.4 1379.6,2171.4 ; 1377.2,2167.8 1382,2167.8 ; 1377.2,2169 1380.8,2169 ; 1378.4,2140.2 1383.2,2140.2 ; 1378.4,2141.4 1382,2141.4 ; 1378.4,2166.6 1382,2166.6 ; 1379.6,2137.8 1384.4,2137.8 ; 1379.6,2139 1383.2,2139 ; 1379.6,2164.2 1383.2,2164.2 ; 1379.6,2165.4 1383.2,2165.4 ; 1380.8,2135.4 1385.6,2135.4 ; 1380.8,2136.6 1384.4,2136.6 ; 1380.8,2161.8 1384.4,2161.8 ; 1380.8,2163 1384.4,2163 ; 1382,2133 1386.8,2133 ; 1382,2134.2 1385.6,2134.2 ; 1382,2159.4 1386.8,2159.4 ; 1382,2160.6 1385.6,2160.6 ; 1383.2,2130.6 1391.6,2130.6 ; 1383.2,2131.8 1386.8,2131.8 ; 1383.2,2157 1391.6,2157 ; 1383.2,2158.2 1386.8,2158.2 ; 1384.4,2128.2 1390.4,2128.2 ; 1384.4,2129.4 1390.4,2129.4 ; 1384.4,2154.6 1390.4,2154.6 ; 1384.4,2155.8 1391.6,2155.8 ; 1385.6,2125.8 1389.2,2125.8 ; 1385.6,2127 1389.2,2127 ; 1385.6,2152.2 1389.2,2152.2 ; 1385.6,2153.4 1389.2,2153.4 ; 1388,2131.8 1391.6,2131.8 ; 1388,2158.2 1392.8,2158.2 ; 1389.2,2133 1392.8,2133 ; 1389.2,2134.2 1392.8,2134.2 ; 1389.2,2159.4 1392.8,2159.4 ; 1389.2,2160.6 1394,2160.6 ; 1390.4,2135.4 1394,2135.4 ; 1390.4,2136.6 1395.2,2136.6 ; 1390.4,2161.8 1394,2161.8 ; 1390.4,2163 1395.2,2163 ; 1391.6,2137.8 1395.2,2137.8 ; 1391.6,2139 1396.4,2139 ; 1391.6,2164.2 1395.2,2164.2 ; 1391.6,2165.4 1396.4,2165.4 ; 1392.8,2140.2 1396.4,2140.2 ; 1392.8,2141.4 1397.6,2141.4 ; 1392.8,2166.6 1396.4,2166.6 ; 1394,2142.6 1397.6,2142.6 ; 1394,2143.8 1401.2,2143.8 ; 1394,2167.8 1397.6,2167.8 ; 1394,2169 1397.6,2169 ; 1395.2,2145 1401.2,2145 ; 1395.2,2146.2 1401.2,2146.2 ; 1395.2,2170.2 1398.8,2170.2 ; 1395.2,2171.4 1398.8,2171.4 ; 1396.4,2147.4 1401.2,2147.4 ; 1396.4,2148.6 1401.2,2148.6 ; 1396.4,2172.6 1400,2172.6 ; 1396.4,2173.8 1401.2,2173.8 ; 1397.6,2149.8 1401.2,2149.8 ; 1397.6,2175 1416.8,2175 ; 1397.6,2176.2 1416.8,2176.2 ; 1398.8,2125.8 1416.8,2125.8 ; 1398.8,2127 1416.8,2127 ; 1398.8,2128.2 1401.2,2128.2 ; 1398.8,2129.4 1401.2,2129.4 ; 1398.8,2130.6 1401.2,2130.6 ; 1398.8,2131.8 1401.2,2131.8 ; 1398.8,2133 1401.2,2133 ; 1398.8,2134.2 1401.2,2134.2 ; 1398.8,2135.4 1401.2,2135.4 ; 1398.8,2136.6 1401.2,2136.6 ; 1398.8,2137.8 1401.2,2137.8 ; 1398.8,2139 1401.2,2139 ; 1398.8,2140.2 1401.2,2140.2 ; 1398.8,2141.4 1401.2,2141.4 ; 1398.8,2142.6 1401.2,2142.6 ; 1413.2,2139 1416.8,2139 ; 1413.2,2140.2 1416.8,2140.2 ; 1413.2,2141.4 1416.8,2141.4 ; 1413.2,2142.6 1416.8,2142.6 ; 1413.2,2143.8 1416.8,2143.8 ; 1413.2,2145 1416.8,2145 ; 1413.2,2146.2 1416.8,2146.2 ; 1413.2,2147.4 1416.8,2147.4 ; 1413.2,2148.6 1416.8,2148.6 ; 1413.2,2149.8 1416.8,2149.8 ; 1413.2,2151 1416.8,2151 ; 1413.2,2152.2 1416.8,2152.2 ; 1413.2,2153.4 1416.8,2153.4 ; 1413.2,2154.6 1416.8,2154.6 ; 1413.2,2155.8 1416.8,2155.8 ; 1413.2,2157 1416.8,2157 ; 1413.2,2158.2 1416.8,2158.2 ; 1413.2,2159.4 1416.8,2159.4 ; 1413.2,2160.6 1416.8,2160.6 ; 1413.2,2161.8 1416.8,2161.8 ; 1413.2,2163 1416.8,2163 ; 1413.2,2164.2 1416.8,2164.2